# Altium PCB IC_LAB_test.PcbDoc (part 5 of 8) (continued)
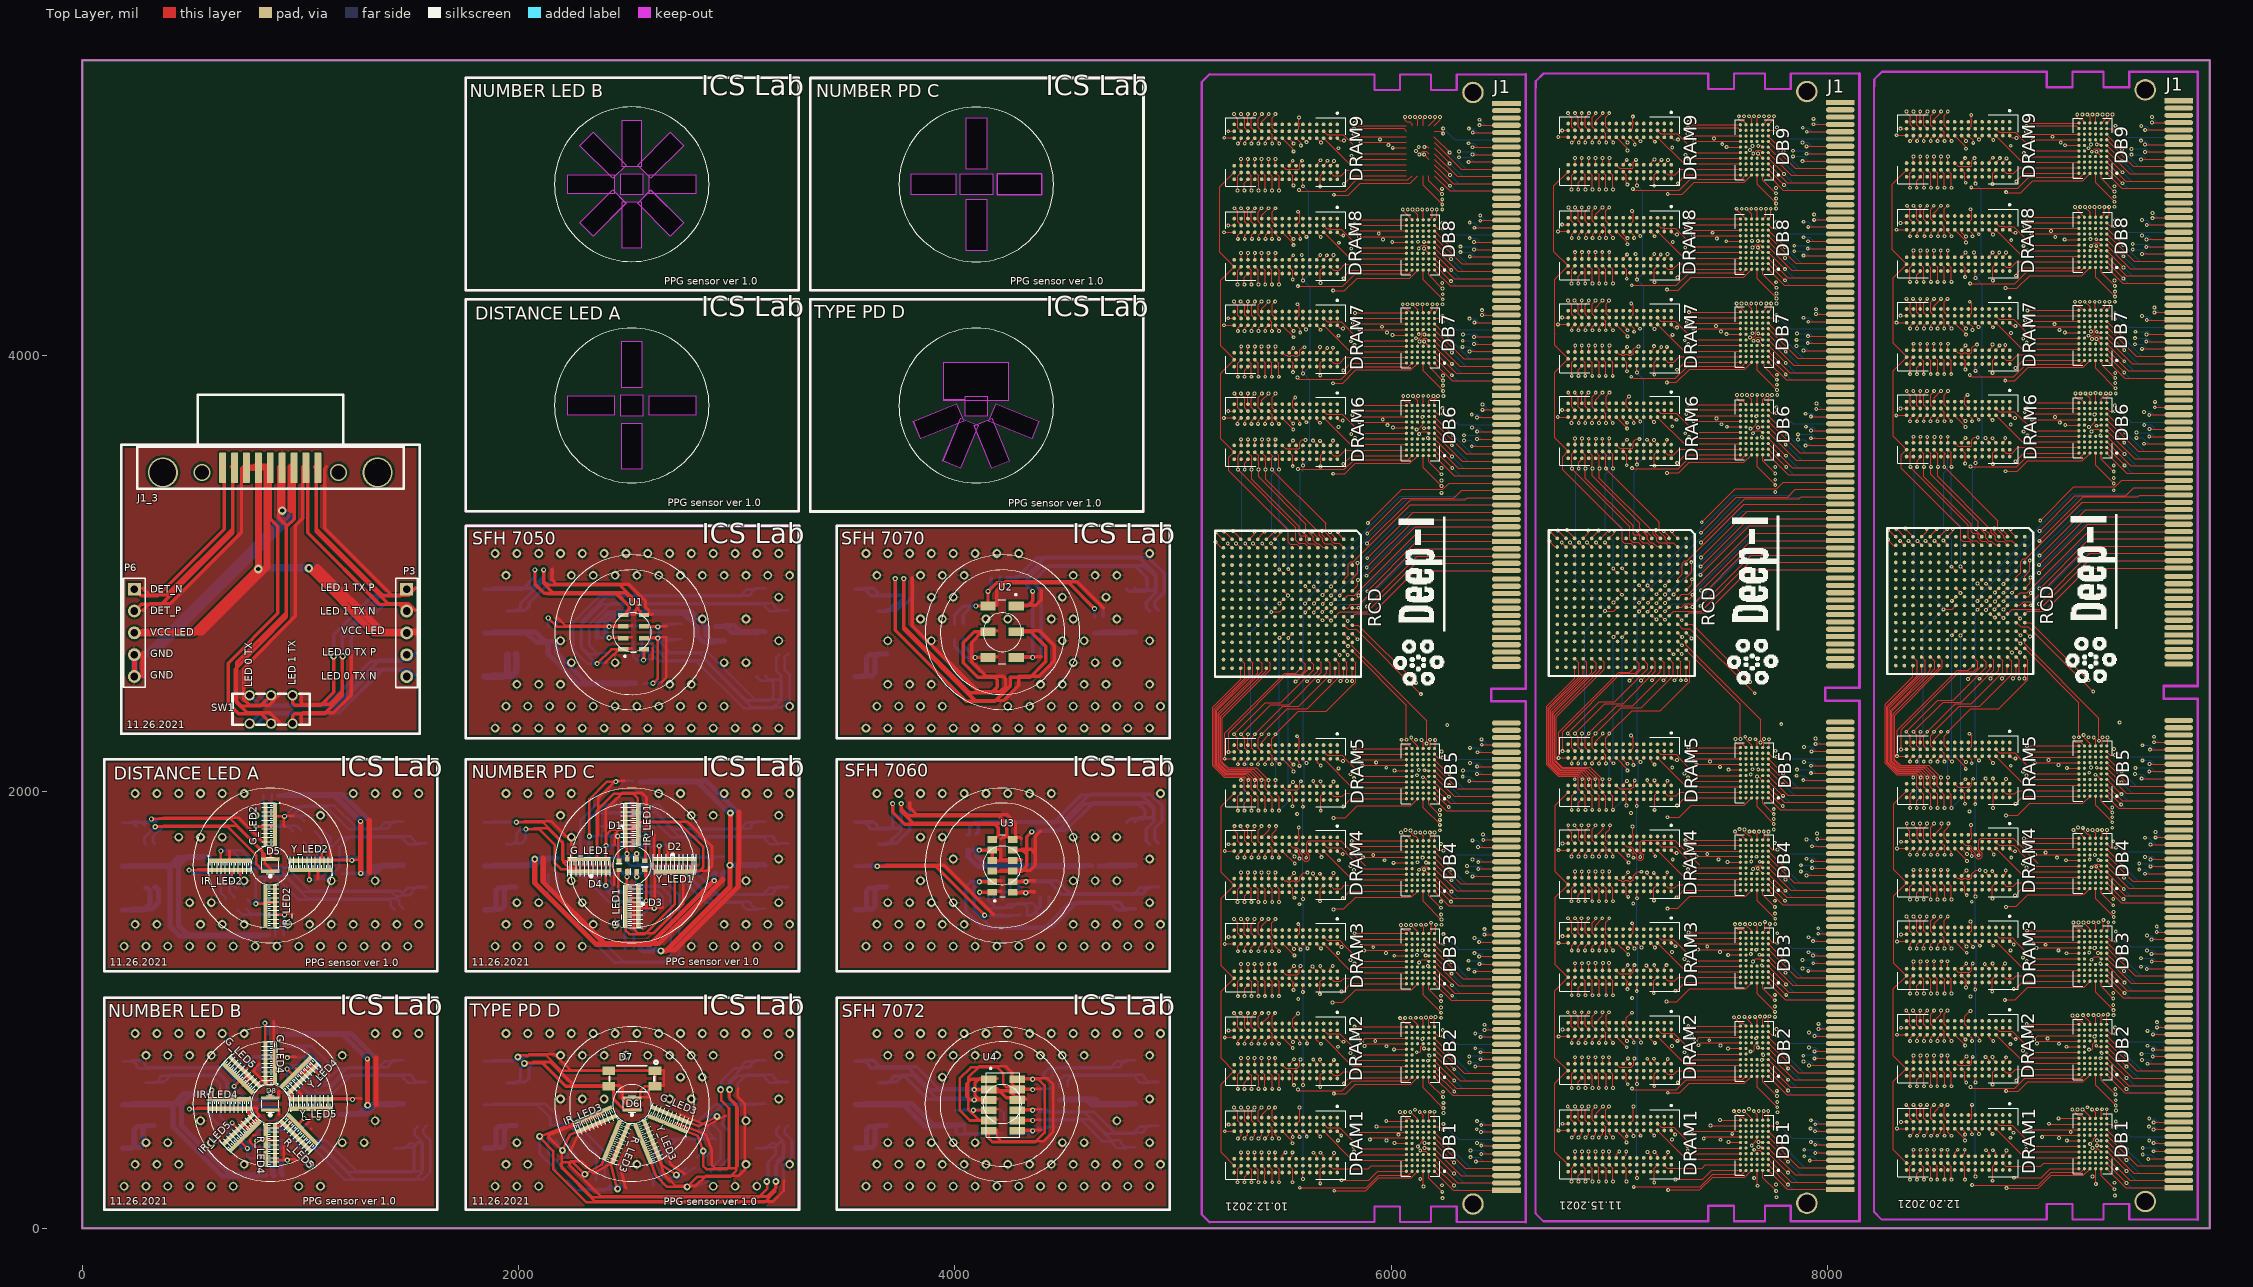
[diagram p0: Top Layer view]
## Nets (pads, with @x,y where several pads share a name; then routed paths per layer and width w, separated by ;. In a path a pad name is that pad's centre, name@x,y a point inside that pad or via, vN(x,y) a via of type N, cw(c..) or ccw(c..) an arc to the next point about the centre after c; other vN are vias at no path point) (continued)
9211.06,4090.05 9221.06,4100.05 9221.06,4118.05 9225.66,4122.65 9225.66,4128.06 9227.87,4130.28 ; v1(9197.83,3671.95) 9205.15,3671.95 9204.32,3672.78 9224.83,3693.29 9224.83,3700.46 9229.06,3704.69 9227.87,3705.87 ; v1(9198.06,818.05) 9211.06,818.05 9215.45,822.44 9215.45,843.51 9224.59,852.66 9225.51,852.66 9227.87,855.02 9227.87,857.05 ; v1(9203.06,386.05) 9203.06,388.05 9218.45,403.44 9218.45,408.51 9227.59,417.66 9227.87,417.66 9227.87,425.87 ; v1(9207.06,4502.05) 9221.06,4516.05 9242.69,4516.05 9253.46,4505.28 ; v1(9208.31,1654.05) 9210.06,1654.05 9223.89,1667.88 9244.68,1667.88 9253.46,1659.09 ; v1(9209.06,1229.72) 9209.06,1231.05 9220.89,1242.88 9244.68,1242.88 9253.46,1234.09 ; v1(9209.06,3651.05) 9220.08,3662.07 9243.03,3662.07 9250.42,3654.69 9253.46,3654.69 ; v1(9210.06,4933.05) 9225.06,4948.05 9242.46,4948.05 9253.46,4937.05 ; v1(9211.06,4075.05) 9227.06,4091.05 9241.51,4091.05 9253.46,4079.09 ; v1(9212.06,544.05) 9227.87,528.23 9227.87,502.64 ; v1(9214.06,367.05) 9224.27,367.05 9227.59,363.72 9238.84,363.72 9253.46,349.09 ; v1@9214.06,1824.05 9227.87,1810.23 9227.87,1787.05 ; v1(9218.06,976.05) 9227.87,966.23 9227.87,933.82 ; v1(9218.06,1402.05) 9229.27,1390.83 9229.27,1363.44 9227.87,1362.05 ; v1(9219.49,2248.55) 9219.49,2247.61 9227.87,2239.23 9227.87,2210 ; v1@9223.06,4679.05 9227.87,4674.23 9227.87,4633.23 ; v1(9223.43,1283.76) 9223.43,1276.95 9224.13,1276.24 9225.66,1276.24 9225.66,1283.06 v1@9227.87,1285.28 ; v1(9223.43,3728.86) 9223.43,3722.42 9221.13,3724.72 v1@9227.87,3731.46 ; v1(9224.06,4246.05) 9225.78,4244.33 9225.78,4209.14 9227.87,4207.05 ; v1(9227.06,2078.05) 9231.87,2078.05 9253.46,2056.46 ; 9227.6,4987.96 9227.87,4988.23 ; 9227.87,272.32 9229.06,271.14 v1(9229.06,202.05) ; 9227.87,703.5 9227.87,654.23 v1(9320.06,562.05) ; 9227.87,1131.73 9227.87,1081.23 v1(9310.06,999.05) ; 9227.87,1556.73 9227.87,1509.23 v1(9311.06,1426.05) ; 9227.87,1979.69 9227.87,1939.23 v1@9307.06,1860.05 ; 9227.87,3552.32 9227.87,3497.23 v1@9312.06,3413.05 ; 9227.87,3782.64 9227.87,3826.87 v1(9228.06,3827.05) ; 9227.87,3976.73 9227.87,3940.23 v1(9319.06,3849.05) ; 9227.87,4402.91 9227.87,4358.23 v1(9317.06,4269.05) ; 9227.87,4834.69 9227.87,4791.23 v1(9315.06,4704.05) ; 9227.87,5065 9227.87,5095.87 9235.06,5103.05 9235.06,5104.05 v1@9236.06,5105.05 ; v1(9230.92,1656.05) 9253.46,1633.5 ; v1(9231.06,835.72) 9235.32,831.46 9253.46,831.46 ; v1(9231.06,4532.05) 9232.24,4530.87 9253.46,4530.87 ; v1@9231.1,4502.05 9253.46,4479.69 ; v1(9231.3,3677.68) 9233.9,3680.28 9253.46,3680.28 ; v1(9232.06,4075.05) 9253.46,4053.64 9253.46,4053.5 ; v1(9232.06,4933.05) 9253.46,4911.64 9253.46,4911.46 ; v1(9233.06,2110.05) 9235.46,2107.64 9253.46,2107.64 ; v1(9233.06,4108.05) 9236.42,4104.69 9253.46,4104.69 ; v1(9233.06,4967.05) 9237.06,4971.05 9244.06,4971.05 9252.46,4962.64 9253.46,4962.64 ; v1(9234.06,379.33) 9243.39,379.33 9246.1,382.05 9253.46,374.69 ; v1(9234.06,402.05) 9235.83,400.28 9253.46,400.28 ; v1(9239.06,1260.72) 9251.78,1260.72 9252.1,1261.05 9253.46,1259.69 ; v1(9240.06,1686.72) 9242.09,1684.69 9253.46,1684.69 ; v1(9249.06,778.72) 9249.06,784.69 v1@9253.46,780.28 ; v1(9249.06,1212.72) 9246.38,1212.72 9250.6,1208.5 v1@9253.46,1208.5 ; v1(9249.02,3633.54) 9249.02,3632.09 9252.01,3629.09 v1@9253.46,3629.09 ; 9253.46,272.32 9253.62,272.32 9253.62,239.48 v1(9315.06,178.05) ; 9253.46,502.64 9253.46,540.46 v1(9258.06,545.05) ; 9253.46,703.5 9253.46,678.64 v1(9319.06,613.05) ; 9253.46,933.82 9253.46,968.46 v1(9263.06,978.05) ; 9253.46,1131.73 9253.46,1107.64 v1(9309.06,1052.05) ; 9253.46,1362.05 9263.56,1372.14 v1(9263.56,1411.67) ; 9253.46,1556.73 9253.46,1535.64 v1(9309.06,1480.05) ; 9253.46,1787.05 9253.46,1790.18 9259.46,1796.18 9259.46,1820.64 9258.06,1822.05 v1(9258.06,1825.05) ; 9253.46,1979.69 9253.46,1955.64 v1(9304.06,1905.05) ; 9253.46,2210 9259.09,2215.63 v1(9259.09,2250.05) ; 9253.46,3552.32 9253.46,3524.64 v1(9311.06,3467.05) ; 9253.46,3782.64 9253.46,3803.46 v1@9275.06,3825.05 ; 9253.46,3976.73 9253.46,3973.6 9259.46,3967.6 9259.46,3954.64 v1(9318.06,3896.05) ; 9253.46,4207.05 9270.06,4223.64 v1(9270.06,4246.05) ; 9253.46,4402.91 9253.46,4380.64 v1(9316.06,4318.05) ; 9253.46,4633.23 9268.06,4647.82 v1@9268.06,4679.05 ; 9253.46,4834.69 9253.46,4811.64 v1(9314.06,4751.05) ; 9253.46,5065 9282.06,5093.59 v1(9282.06,5104.05) v1@9282.06,5105.05 ; 9279.06,272.32 9366.26,185.12 9609.06,185.12 ; 9279.06,297.91 9279.06,297.48 9369.06,207.48 v1(9369.06,207.05) ; 9279.06,323.5 9383.98,218.58 9609.06,218.58 ; 9279.06,349.09 9280.53,349.09 9367.58,262.05 v1(9369.06,262.05) ; 9279.06,374.69 9401.69,252.05 9609.06,252.05 ; 9279.06,400.28 9279.94,400.28 9368.17,312.05 v1(9369.06,312.05) ; 9279.06,425.87 9419.41,285.51 9609.06,285.51 ; 9279.06,451.46 9368.46,362.05 v1(9369.06,362.05) ; 9279.06,477.05 9303.06,477.05 v1(9320.06,460.05) ; 9279.06,502.64 v1(9279.06,545.05) ; 9279.06,703.5 9362.4,620.16 9609.06,620.16 ; 9279.06,729.07 v1(9370.06,638.05) ; 9279.06,754.69 9380.12,653.62 9609.06,653.62 ; 9279.06,780.28 9279.06,779.05 v1(9370.06,688.05) ; 9279.06,805.87 9397.83,687.09 9609.06,687.09 ; 9279.06,831.46 9370.06,740.46 v1(9370.06,740.05) ; 9279.06,857.05 9415.55,720.55 9609.06,720.55 ; 9279.06,882.64 9368.65,793.05 v1(9369.06,793.05) ; 9279.06,908.23 9296.24,891.05 v1(9319.06,891.05) ; 9279.06,933.82 9279.06,974.05 v1(9284.06,979.05) ; 9279.06,1131.73 9355.59,1055.2 9609.06,1055.2 ; 9279.06,1157.32 9359.33,1077.05 v1(9361.06,1077.05) ; 9279.06,1182.91 9373.31,1088.66 9609.06,1088.66 ; 9279.06,1208.5 9360.06,1127.5 v1(9360.06,1125.05) ; 9279.06,1234.09 9391.02,1122.13 9609.06,1122.13 ; 9279.06,1259.69 9279.06,1257.05 v1(9358.06,1178.05) ; 9279.06,1285.28 9408.74,1155.59 9609.06,1155.59 ; 9279.06,1310.87 9357.87,1232.05 v1(9358.06,1232.05) ; 9279.06,1336.46 9300.46,1315.05 v1(9321.06,1315.05) ; 9279.06,1362.05 9286.06,1369.05 v1(9286.06,1402.05) ; 9279.06,1556.73 9345.55,1490.24 9609.06,1490.24 ; 9279.06,1582.32 9353.33,1508.05 v1(9355.06,1508.05) ; 9279.06,1607.91 9363.27,1523.7 9609.06,1523.7 ; 9279.06,1633.5 9279.06,1632.05 v1(9357.06,1554.05) ; 9279.06,1659.09 9380.98,1557.17 9609.06,1557.17 ; 9279.06,1684.69 9357.69,1606.05 v1(9358.06,1606.05) ; 9279.06,1710.28 9398.7,1590.63 9609.06,1590.63 ; 9279.06,1735.87 9358.06,1656.87 v1(9358.06,1656.05) ; 9279.06,1761.46 9297.46,1743.05 v1(9321.06,1743.05) ; 9279.06,1787.05 9279.56,1787.55 9279.56,1824.55 v1(9280.06,1825.05) ; 9279.06,1979.69 9333.46,1925.28 9609.06,1925.28 ; 9279.06,2005.28 9342.28,1942.05 v1(9345.06,1942.05) ; 9279.06,2030.87 9351.18,1958.74 9609.06,1958.74 ; 9279.06,2056.46 9346.06,1989.46 v1(9346.06,1989.05) ; 9279.06,2082.05 9368.9,1992.21 9609.06,1992.21 ; 9279.06,2107.64 9344.65,2042.05 v1(9347.06,2042.05) ; 9279.06,2133.23 9386.61,2025.67 9609.06,2025.67 ; 9279.06,2158.82 9345.83,2092.05 v1(9347.06,2092.05) ; 9279.06,2184.41 9295.42,2168.05 v1(9316.06,2168.05) ; 9279.06,2210 9282.48,2213.43 v1(9282.48,2248.55) ; 9279.06,3552.32 9371.02,3460.36 9609.06,3460.36 ; 9279.06,3603.5 9388.74,3493.82 9609.06,3493.82 ; 9279.06,3629.05 v1(9360.06,3548.05) ; 9279.06,3654.69 9406.45,3527.29 9609.06,3527.29 ; 9279.06,3680.28 9359.06,3600.28 v1(9359.06,3600.05) ; 9279.06,3705.87 9424.17,3560.75 9609.06,3560.75 ; 9279.06,3731.46 9363.46,3647.05 v1(9364.06,3647.05) ; 9279.06,3757.05 9292.06,3744.05 v1(9317.06,3744.05) ; 9279.06,3782.64 9279.06,3809.05 v1(9296.06,3826.05) ; 9279.06,3976.73 9360.39,3895.4 9609.06,3895.4 ; 9279.06,4002.32 9356.33,3925.05 v1@9358.06,3925.05 ; 9279.06,4027.91 9378.11,3928.86 9609.06,3928.86 ; 9279.06,4053.5 9359.06,3973.5 v1(9359.06,3973.05) ; 9279.06,4079.09 9395.82,3962.33 9609.06,3962.33 ; 9279.06,4104.69 9358.69,4025.05 v1(9359.06,4025.05) ; 9279.06,4130.28 9413.54,3995.79 9609.06,3995.79 ; 9279.06,4155.87 9358.87,4076.05 v1(9360.06,4076.05) ; 9279.06,4181.46 9301.65,4181.46 v1(9317.06,4166.05) ; 9279.06,4207.05 9292.06,4220.05 v1(9292.06,4246.05) ; 9279.06,4402.91 9351.53,4330.44 9609.06,4330.44 ; 9279.06,4428.5 9355.06,4352.5 v1(9355.06,4352.05) ; 9279.06,4454.09 9369.25,4363.9 9609.06,4363.9 ; 9279.06,4479.69 9355.69,4403.05 v1(9356.06,4403.05) ; 9279.06,4505.28 9386.97,4397.37 9609.06,4397.37 ; 9279.06,4530.87 9355.06,4454.87 v1(9355.06,4454.05) ; 9279.06,4556.46 9404.68,4430.83 9609.06,4430.83 ; 9279.06,4582.05 v1(9356.06,4505.05) ; 9279.06,4607.64 9293.65,4593.05 v1(9317.06,4593.05) ; 9279.06,4633.23 9290.06,4644.23 v1(9290.06,4680.05) ; 9279.06,4834.69 9348.26,4765.48 9609.06,4765.48 ; 9279.06,4860.28 9350.28,4789.05 v1(9351.06,4789.05) ; 9279.06,4885.87 9365.98,4798.94 9609.06,4798.94 ; 9279.06,4911.46 9351.06,4839.46 v1(9351.06,4839.05) ; 9279.06,4937.05 9383.7,4832.41 9609.06,4832.41 ; 9279.06,4962.64 9349.06,4892.64 v1(9349.06,4891.05) ; 9279.06,4988.23 9401.41,4865.87 9609.06,4865.87 ; 9279.06,5013.82 9279.06,5012.05 v1(9349.06,4942.05) ; 9279.06,5039.41 9307.69,5039.41 v1(9319.06,5028.05) ; 9279.06,5065 9305.06,5091 v1(9305.06,5104.05) ; 9280.19,3577.91 9279.06,3577.91 9360.92,3496.05 v1(9361.06,3496.05) ; v1(9316.06,4246.05) v1@9316.06,4248.05 ; v1(9436.06,4898.05) 9436.7,4898.69 9608.41,4898.69 9609.06,4899.33 ; v1(9439.06,2061.05) 9440.01,2060.09 9608.1,2060.09 9609.06,2059.14 ; v1(9440.06,4030.05) 9440.45,4029.65 9608.66,4029.65 9609.06,4029.26 ; v1(9441.06,4465.05) 9441.43,4464.67 9608.68,4464.67 9609.06,4464.29 ; v1(9450.06,3595.05) 9608.22,3595.05 9609.06,3594.22 ; v1(9454.06,4932.05) 9454.43,4932.42 9608.68,4932.42 9609.06,4932.8 ; v1(9454.06,4966.05) 9454.16,4966.16 9608.95,4966.16 9609.06,4966.26 ; v1(9454.06,1624.05) 9609.03,1624.07 ; v1(9455.06,5033.05) 9455.13,5033.12 9608.98,5033.12 9609.06,5033.19 ; v1(9460.06,4064.05) 9460.72,4063.38 9608.39,4063.38 9609.06,4062.72 ; v1(9460.06,4497.05) 9608.34,4497.05 9609.06,4497.76 ; v1(9461.06,4096.05) 9461.12,4096.12 9608.99,4096.12 9609.06,4096.18 ; v1(9461.06,4531.05) 9461.14,4531.14 9608.97,4531.14 9609.06,4531.22 ; v1(9462.06,1187.05) 9463.06,1188.05 9608.05,1188.05 9609.06,1189.06 ; v1(9462.06,4162.05) 9607.99,4162.05 9609.06,4163.11 ; v1(9462.06,4597.05) 9462.61,4597.6 9608.5,4597.6 9609.06,4598.15 ; v1(9466.06,753.05) 9467.02,754.02 9609.06,754.02 ; v1(9469.06,317.05) 9470.02,318.01 9608.09,318.01 9609.06,318.98 ; v1(9474.06,3628.05) 9474.24,3627.86 9608.87,3627.86 9609.06,3627.68 ; v1(9474.06,3727.05) 9474.57,3727.56 9608.54,3727.56 9609.06,3728.07 ; v1@9475.06,2093.05 9475.28,2092.82 9608.83,2092.82 9609.06,2092.6 ; v1(9475.06,2127.05) 9475.55,2126.56 9608.56,2126.56 9609.06,2126.06 ; v1(9475.06,3663.05) 9476.01,3662.1 9608.1,3662.1 9609.06,3661.14 ; v1(9477.06,2193.05) 9609.03,2193.02 ; v1(9479.06,1758.05) 9479.1,1758 9609.01,1758 9609.06,1757.95 ; v1(9480.06,1658.05) 9480.3,1657.8 9608.81,1657.8 9609.06,1657.56 9607.54,1656.05 9601.06,1656.05 ; v1(9480.06,1689.05) 9481.04,1690.04 9608.07,1690.04 9609.06,1691.03 ; v1(9484.06,1257.05) 9607.99,1257.05 9609.06,1255.99 ; v1(9484.06,1323.05) 9484.19,1322.91 9609.06,1322.91 ; v1(9485.06,1222.05) 9485.29,1222.28 9608.82,1222.28 9609.06,1222.52 ; v1(9486.06,5067.05) 9486.25,5066.85 9608.86,5066.85 9609.06,5066.66 ; v1(9489.06,4629.05) 9490.34,4630.33 9607.77,4630.33 9609.06,4631.62 ; v1(9490.06,786.05) 9490.77,786.76 9608.34,786.76 9609.06,787.48 ; v1(9491.06,818.05) 9606.16,818.05 9609.06,820.95 ; v1(9491.06,888.05) 9491.23,887.87 9609.06,887.87 ; v1(9493.06,452.05) 9493.84,452.83 9609.06,452.83 9608.66,452.44 ; v1(9494.06,352.05) 9494.25,352.24 9608.86,352.24 9609.06,352.44 ; v1(9494.06,389.72) 9605.24,389.72 9609.06,385.91 ; v1(9494.06,483.72) 9494.06,485.55 9494.8,486.3 9609.06,486.3 9608.8,486.05 ; v1(9496.06,2227.05) 9496.35,2226.75 9608.76,2226.75 9609.06,2226.46 ; v1(9497.06,4197.05) 9497.29,4196.81 9608.82,4196.81 9609.06,4196.58 ; v1(9499.06,3762.05) 9499.31,3761.79 9608.8,3761.79 9609.06,3761.54 ; v1(9503.06,1791.05) 9503.24,1791.23 9608.87,1791.23 9609.06,1791.42 ; v1(9508.06,1357.05) 9508.39,1356.71 9608.72,1356.71 9609.06,1356.38 ; v1(9509.06,920.05) 9509.7,920.69 9608.41,920.69 9609.06,921.34 ; v1@5719.79,3186.89 5719.79,3189.73 5719.29,3190.24 v1(5718.44,3190.24) 5718.44,3188.24 v1@5719.79,3186.89 ; v1@7250.22,3190.82 7250.22,3193.67 7249.72,3194.17 v1(7248.87,3194.17) 7248.87,3192.17 v1@7250.22,3190.82 ; v1@8801.41,3198.7 8801.41,3201.55 8800.9,3202.05 v1(8800.06,3202.05) 8800.06,3200.05 v1@8801.41,3198.7
  Top Layer w11.81: v3(316.93,1875) 334.25,1875 335.43,1876.18 679.92,1876.18 824.76,1731.34 824.76,1692.13 826.73,1690.16 862.01,1690.16 ; v3(334.45,1839.76) 335.43,1840.75 665.24,1840.75 798.03,1707.96 798.03,1668.75 824.61,1642.17 824.61,1637.01 826.57,1635.04 862.01,1635.04 ; 356.3,1878.94 373.62,1878.94 374.8,1880.12 719.29,1880.12 864.13,1735.28 864.13,1696.06 866.1,1694.09 901.38,1694.09 ; 373.82,1843.7 374.8,1844.69 704.61,1844.69 837.4,1711.9 837.4,1672.69 863.98,1646.11 863.98,1640.95 865.94,1638.98 901.38,1638.98 ; v3@488.19,546.46 714.57,546.46 ; v3(489.96,1640.95) 630.71,1640.94 ; 527.56,550.39 753.94,550.39 ; 529.33,1644.88 670.08,1644.88 ; v3(593.5,631.89) 593.5,592.52 666.34,592.52 ; 632.87,635.83 632.87,596.46 705.71,596.46 ; v3@635.63,1725.59 635.63,1690.16 633.66,1688.19 637.6,1684.25 675,1684.25 ; 675,547.44 761.81,547.44 765.75,543.5 760.83,543.5 760.83,526.57 772.26,515.14 772.26,509.57 714.66,451.97 714.66,454.63 v3(687.01,482.28) ; 675,1640.95 681.89,1640.95 685.83,1637.01 v3@685.83,1597.64 ; 675,1729.53 675,1694.09 673.03,1692.13 676.97,1688.19 714.37,1688.19 ; 675.2,590.75 679.92,590.75 683.86,594.69 ; v3(695.87,649.61) 724.41,678.15 707.68,694.88 ; 714.37,551.38 801.18,551.38 805.12,547.44 800.2,547.44 800.2,530.51 811.63,519.08 811.63,513.51 754.03,455.91 754.03,458.57 726.38,486.22 ; 714.37,1644.88 721.26,1644.88 725.2,1640.95 v2@725.2,1601.57 ; 714.57,594.69 719.29,594.69 723.23,598.62 ; 714.57,686.1 714.66,686.1 ; 730.15,398.62 730.15,391.9 v3(756.89,365.16) ; 735.24,653.54 763.78,682.09 747.05,698.82 ; 745.28,421.35 745.8,421.87 751.36,421.87 ; 748.4,716.72 745.28,716.72 800.82,661.18 806.39,661.18 818.64,673.43 836.42,673.43 ; 750.06,726.44 v3(772.64,749.02) ; 753.94,690.04 754.03,690.04 ; 769.52,402.56 769.52,395.84 796.26,369.09 ; 784.65,425.29 785.17,425.8 790.73,425.8 ; 787.77,720.66 784.65,720.66 840.19,665.12 845.76,665.12 858.01,677.36 875.79,677.36 ; 789.43,730.37 812.01,752.95 ; v3(796.06,1486.42) 836.35,1486.42 840.35,1482.41 840.35,1475.59 ; v3(797.05,1840.75) 837.4,1840.75 ; v3(799.21,399.61) 799.21,405.51 805.12,399.61 840.55,399.61 840.55,381.89 ; 835.43,1490.35 875.72,1490.35 879.72,1486.35 879.72,1479.53 ; 836.42,1844.69 876.77,1844.69 ; 836.42,1888.98 840.35,1885.04 840.35,1849.61 ; 838.58,403.54 838.58,409.45 844.49,403.54 879.92,403.54 879.92,385.83 ; 838.78,716.54 v3@838.78,942.91 ; 840.35,755.91 840.35,769.69 ; 875.79,1892.91 879.72,1888.98 879.72,1853.54 ; 878.15,720.47 878.15,946.85 ; 879.72,759.84 879.72,773.62 ; 883.66,1433.27 886.61,1436.22 v3(926.97,1436.22) ; 883.86,381.89 883.86,315.94 887.8,312 v3(939.96,312) ; 883.86,756.1 883.66,755.91 883.66,790.35 892.52,781.5 v3(939.96,781.5) ; 887.6,467.52 904.53,467.52 915.96,478.95 ; 887.6,1838.78 883.66,1842.72 883.66,1849.61 883.66,1883.07 887.6,1887.01 v3(926.97,1887.01) ; v3@923.03,1437.2 925.98,1440.16 966.34,1440.16 ; 923.23,385.83 923.23,319.88 927.17,315.94 979.33,315.94 ; 923.23,760.04 923.03,759.84 923.03,794.29 931.89,785.43 979.33,785.43 ; 926.97,471.46 943.9,471.46 955.33,482.89 ; 926.97,1842.72 923.03,1846.65 923.03,1853.54 923.03,1887.01 926.97,1890.95 966.34,1890.95 ; v3(938.98,729.33) 967.07,701.24 980.75,714.92 ; 952.15,622.65 963.58,611.22 963.58,594.29 ; 978.35,733.27 1006.44,705.17 1020.12,718.85 ; 980.75,719.07 980.75,714.92 ; 988.19,472.44 v3@1012.55,496.8 ; 988.6,719.07 986.76,720.92 ; 991.52,626.59 1002.95,615.16 1002.95,598.23 ; 1009.75,451.92 1009.75,451.97 ; 1010.55,750.28 1010.55,744.71 986.76,720.92 ; 1020.12,723.01 1020.12,718.85 ; 1027.56,476.38 1051.92,500.74 ; 1027.97,723.01 1026.13,724.86 ; 1038.19,1688.19 1042.13,1684.25 1049.02,1684.25 1094.29,1684.25 1095.28,1685.24 ; v3(1041.14,1596.65) 1041.14,1637.01 1045.08,1640.95 1049.02,1640.95 1084.45,1640.95 1088.39,1637.01 ; 1049.12,455.86 1049.12,455.91 ; 1049.21,547.24 1049.02,547.44 1078.94,547.44 1082.58,551.08 1082.58,547.44 v3@1082.58,504.92 ; 1049.57,590.19 1049.02,590.75 1237.6,590.75 v3(1238.78,589.57) ; 1049.92,754.22 1049.92,748.65 1026.13,724.86 ; 1060.04,728.35 v3(1090.55,697.83) ; 1077.56,1692.13 1081.5,1688.19 1088.39,1688.19 1133.66,1688.19 1134.65,1689.17 ; v3@1078.74,504.92 v3@1082.58,504.92 ; 1080.51,1600.59 1080.51,1640.95 1084.45,1644.88 1088.39,1644.88 1123.82,1644.88 1127.76,1640.95 ; v3(1082.68,504.92) v3@1082.58,504.92 ; 1088.58,551.18 1088.39,551.38 1118.31,551.38 1121.95,555.02 1121.95,551.38 1121.95,508.86 ; 1088.94,594.13 1088.39,594.69 1276.97,594.69 1278.15,593.5 ; v3(1098.23,1728.54) 1098.23,1688.19 1095.28,1685.24 ; 1099.41,732.28 1129.92,701.77 ; 1118.11,508.86 1121.95,508.86 ; 1122.05,508.86 1121.95,508.86 ; 1137.6,1732.48 1137.6,1692.13 1134.65,1689.17 ; v3(1236.02,1685.24) 1095.28,1685.24 ; 1275.39,1689.17 1134.65,1689.17 ; v3(1990.16,1860.24) 2111.22,1860.24 2201.39,1770.07 2201.39,1687.23 2208.31,1680.32 2223.2,1680.32 2230.12,1687.23 2230.12,1688.19 2232.09,1690.16 2322.64,1690.16 2359.25,1690.16 2359.25,1913.39 2436.02,1990.16 2526.57,1990.16 2547.05,1969.68 2547.05,1849.61 ; v5(1997.04,784.26) 2002.36,784.26 2010.42,792.32 2125.79,792.32 2197.64,720.47 2413.49,720.47 2625.49,720.47 2625.49,649.61 2578.24,649.61 2556.89,628.25 2556.89,598.43 2554.92,596.46 2519.49,596.46 ; 2029.53,1864.17 2150.59,1864.17 2240.76,1774.01 2240.76,1691.17 2247.68,1684.25 2262.57,1684.25 2269.49,1691.17 2269.49,1692.13 2271.46,1694.09 2362.01,1694.09 2398.62,1694.09 2398.62,1917.32 2475.39,1994.09 2565.94,1994.09 2586.42,1973.62 2586.42,1853.54 ; v3(2033.46,1828.74) 2092.61,1828.74 2165.96,1755.39 2165.96,1672.56 2193.63,1644.88 2223.2,1644.88 2230.12,1637.96 2230.12,1637.01 2232.09,1635.04 2322.64,1635.04 ; 2036.41,788.2 2041.73,788.2 2049.79,796.26 2165.16,796.26 2237.01,724.41 2452.86,724.41 2664.86,724.41 2664.86,653.54 2617.61,653.54 2596.26,632.19 2596.26,602.36 2594.29,600.39 2558.86,600.39 ; 2072.83,1832.68 2131.98,1832.68 2205.33,1759.33 2205.33,1676.49 2233,1648.82 2262.57,1648.82 2269.49,1641.9 2269.49,1640.95 2271.46,1638.98 2362.01,1638.98 ; v5(2096.26,420.28) v5@2096.26,418.81 ; 2135.63,424.21 2135.63,422.75 ; v3(2135.63,2796.26) 2175,2756.89 v4(2415.16,2756.89) 2478.53,2756.89 2480.11,2758.46 ; 2175,2800.2 2214.37,2760.83 2454.53,2760.83 2517.9,2760.83 2519.48,2762.4 ; v5(2201.31,356.44) 2235.04,428.15 2355,477.33 ; 2240.68,360.38 2274.41,432.09 2394.37,481.26 ; v3(2324.8,1796.26) 2324.8,1965.55 2405.51,2046.26 v3(2445.87,2046.26) ; 2338.43,517.34 2096.77,419.02 v5@2096.26,418.81 ; v4(2360.04,2587.6) 2425,2652.56 2480.11,2652.56 ; 2364.17,1800.2 2364.17,1969.49 2444.88,2050.2 2485.24,2050.2 ; 2377.8,521.28 2136.14,422.95 2135.63,422.75 ; 2399.41,2591.54 2464.37,2656.5 2519.48,2656.5 ; v3(2399.61,1569.88) 2399.61,1635.83 ; v3(2400.59,1752.95) 2400.59,1801.18 2426.18,1826.77 2491.14,1826.77 2491.93,1827.56 2491.93,1849.61 ; v4(2415.16,2705.71) 2415.95,2704.92 2479.32,2704.92 2480.11,2704.13 ; 2427.92,404.41 2380.71,291.34 2305.86,248.04 v5(2303.65,246.76) 2248.06,302.35 2200.86,302.35 2193.94,295.43 2193.94,285.65 2338.68,140.91 3099.53,140.91 3140.55,181.93 3140.55,210.55 v5(3137.52,213.58) ; 2438.98,1573.82 2438.98,1639.76 ; 2439.96,1756.89 2439.96,1805.12 2465.55,1830.71 2530.51,1830.71 2531.3,1831.5 2531.3,1853.54 ; v3(2453.74,1493.11) 2456,1495.37 2456,1636.99 2459.94,1640.93 2460.43,1640.93 ; v3(2453.74,1796.26) 2456,1794 2456,1688.21 2459.94,1684.27 2460.43,1684.27 2458.66,1686.04 ; 2454.53,2709.65 2455.32,2708.86 2518.69,2708.86 2519.48,2708.07 ; v5@2462.4,176.18 cw(c2462.4,188.06) v5(2454,179.66) 2450.59,183.07 2425.15,286.92 2467.93,387.84 ; 2467.29,408.35 2420.08,295.28 2345.23,251.97 2343.02,250.7 2287.43,306.29 2240.23,306.29 2233.31,299.37 2233.31,289.58 2378.05,144.84 3138.9,144.84 3179.92,185.87 3179.92,214.49 v5@3176.89,217.52 ; 2491.14,1475.39 2491.14,1364.17 2507.87,1347.44 2578.74,1347.44 2715.55,1484.25 2715.55,1634.84 ; 2491.14,1485.24 2493.11,1483.27 ; 2493.11,1497.05 2495.37,1499.31 2495.37,1640.93 2499.31,1644.86 2499.8,1644.86 ; 2493.11,1800.2 2495.37,1797.94 2495.37,1692.15 2499.31,1688.21 2499.8,1688.21 2498.03,1689.98 ; 2493.37,183.6 2489.96,187.01 2464.52,290.86 2507.3,391.78 ; v4(2497.04,1609.74) 2497.43,1610.12 2497.43,1632.68 2497.81,1633.07 ; v4(2497.05,1715.55) 2497.05,1692.89 2497.81,1692.13 ; 2530.51,1479.33 2530.51,1368.11 2547.24,1351.38 2618.11,1351.38 2754.92,1488.19 2754.92,1638.78 ; 2530.51,1489.17 2532.48,1487.2 ; v4@2536.41,1613.67 2536.8,1614.06 2536.8,1636.62 2537.19,1637.01 ; v4@2536.42,1719.49 2536.42,1696.83 2537.19,1696.06 ; 2541.16,1633.07 2541.25,1632.98 2541.25,1609.82 v4(2541.33,1609.74) ; 2541.16,1692.13 2541.25,1692.21 2541.25,1715.46 v4(2541.34,1715.55) ; 2545.08,1841.73 2547.05,1839.76 ; 2547.05,1475.59 2547.05,1467.52 2549.02,1465.55 v3(2622.05,1465.55) ; 2547.24,1859.25 2733.86,1859.25 2847.24,1745.87 2847.24,1655.32 2826.77,1634.84 2715.55,1634.84 ; 2571.05,387.84 2631.69,238.19 2680.91,188.98 v5(2772.44,188.98) 2818.7,235.24 2969.2,235.24 2997.83,263.87 2997.83,565.95 2964.37,599.41 2964.37,631.81 v5(2967.4,634.84) ; v4@2574.62,2603.35 2574.62,2652.56 ; 2574.62,2704.13 v4(2637.99,2704.13) 2637.99,2519.09 v4(2615.94,2497.05) ; 2574.62,2755.32 v4(2637.99,2755.32) ; 2578.54,1640.93 2585.63,1633.84 2585.63,1500.98 v3(2584.65,1500) ; 2578.54,1684.27 2582.39,1688.11 2582.39,1794 v3(2584.65,1796.26) ; 2580.53,1637.01 2580.62,1636.92 2580.62,1613.76 2580.7,1613.67 ; 2580.53,1696.06 2580.62,1696.15 2580.62,1719.4 2580.71,1719.49 ; 2584.45,1845.67 2586.42,1843.7 ; 2586.42,1479.53 2586.42,1471.46 2588.39,1469.49 2661.42,1469.49 ; 2586.61,1863.19 2773.23,1863.19 2886.61,1749.8 2886.61,1659.25 2866.14,1638.78 2754.92,1638.78 ; 2610.42,391.78 2671.06,242.13 2720.28,192.91 2811.81,192.91 2858.07,239.17 3008.57,239.17 3037.2,267.8 3037.2,569.88 3003.74,603.35 3003.74,635.75 3006.77,638.78 ; 2611.06,404.41 2659.25,286.42 v5(2723.23,244.09) ; 2613.99,2607.28 2613.99,2656.5 ; 2613.99,2708.07 2677.36,2708.07 2677.36,2523.03 2655.32,2500.98 ; 2613.99,2759.25 2677.36,2759.25 ; 2617.91,1644.86 2625,1637.78 2625,1504.92 2624.02,1503.94 ; 2617.91,1688.21 2621.76,1692.05 2621.76,1797.94 2624.02,1800.2 ; 2644.69,1691.93 v3(2644.69,1751.97) ; 2650.43,408.35 2698.62,290.35 2762.6,248.03 ; 2683.97,477.33 2821.65,423.23 v5(2846.26,353.35) 2846.26,285.46 2861.05,270.67 2954.53,270.67 2964.37,280.51 2964.37,549.3 2928.94,584.73 2928.94,631.81 v5(2925.91,634.84) ; 2684.06,1695.87 2684.06,1755.91 ; 2696.85,1634.84 2698.82,1636.81 ; 2700.55,517.34 2825.59,466.54 v5(2909.25,511.81) ; 2706.69,1634.84 2715.55,1634.84 ; 2723.34,481.26 2861.02,427.17 2885.63,357.28 2885.63,289.4 2900.42,274.61 2993.9,274.61 3003.74,284.45 3003.74,553.24 2968.31,588.67 2968.31,635.75 v5@2965.28,638.78 ; 2736.22,1638.78 2738.19,1640.75 ; 2739.92,521.28 2864.96,470.47 2948.62,515.75 ; 2746.06,1638.78 2754.92,1638.78 ; v5(3179.02,213.58) 3175.98,210.55 3175.98,167.25 3126.84,118.11 2311.36,118.11 2158.5,270.97 2158.5,354.48 2096.26,416.73 v5@2096.26,418.81 ; 3218.39,217.52 3215.35,214.49 3215.35,171.19 3166.21,122.05 2350.73,122.05 2197.87,274.91 2197.87,358.42 2135.63,420.67 2135.63,422.75 ; v4(4084.45,540.35) 4155.32,540.35 ; 4123.82,544.29 4194.69,544.29 ; 4155.32,445.87 4155.32,410.43 4171.06,394.69 4367.91,394.69 4411.22,437.99 4411.22,654.53 4383.66,682.09 v4(4356.1,682.09) 4285.24,682.09 ; 4155.32,493.11 4068.7,493.11 4021.46,540.35 4021.46,686.02 4072.64,737.2 4194.69,737.2 4222.24,709.65 4222.24,658.46 4234.06,646.65 4273.43,646.65 4285.24,634.84 v4(4356.1,634.84) ; 4194.69,449.8 4194.69,414.37 4210.43,398.62 4407.28,398.62 4450.59,441.93 4450.59,658.46 4423.03,686.02 4395.47,686.02 4324.61,686.02 ; 4194.69,497.05 4108.07,497.05 4060.83,544.29 4060.83,689.96 4112.01,741.14 4234.06,741.14 4261.61,713.58 4261.61,662.4 4273.43,650.59 4312.8,650.59 4324.61,638.78 4395.47,638.78 ; 4285.24,445.87 v4(4356.1,445.87) ; 4285.24,493.11 v4@4352.16,493.11 ; 4285.24,540.35 v4(4356.1,540.35) ; 4324.61,449.8 4395.47,449.8 ; 4324.61,497.04 4391.53,497.04 ; 4324.61,544.29 4395.47,544.29 ; 980.75,714.92 986.76,720.92 ; 1020.12,718.85 1026.13,724.86
  Top Layer w15: v4(862.01,517.91) 862.01,541.34 ; 901.38,521.85 901.38,545.28 ; v5(2026.38,754.92) 2028.44,756.98 2108.76,756.98 2216.14,649.61 2413.49,649.61 2423.33,649.61 2435.52,637.42 2435.52,589.88 2484.06,541.34 2519.49,541.34 ; 2065.75,758.86 2067.81,760.92 2148.13,760.92 2255.51,653.54 2452.86,653.54 2462.7,653.54 2474.89,641.36 2474.89,593.82 2523.43,545.28 2558.86,545.28 ; 2075.35,2997.05 v3@2075.35,3016.36 ; v3(2114.35,3016.73) 2114.35,2997.42 2113.98,2997.05 2113.98,2968.05 2134.19,2947.83 2419.09,2947.83 2419.47,2947.46 2464.77,2947.46 2542.77,2869.47 2542.77,2841.89 2558.49,2826.16 2558.49,2812.38 2560.84,2810.04 2574.62,2810.04 ; 2114.72,3000.98 v3@2114.72,3020.3 ; 2153.72,3020.67 2153.72,3001.36 2153.35,3000.98 2153.35,2971.99 2173.56,2951.77 2458.46,2951.77 2458.84,2951.4 2504.14,2951.4 2582.14,2873.41 2582.14,2845.83 2597.86,2830.1 2597.86,2816.32 2600.21,2813.98 2613.99,2813.98 ; 4155.32,587.6 4068.7,587.6 4052.95,603.35 4052.95,662.4 4072.64,682.09 4155.32,682.09 ; 4194.69,591.54 4108.07,591.54 4092.32,607.28 4092.32,666.34 4112.01,686.02 4194.69,686.02